# KiCad board data-center-rdimm-ddr4-tester.kicad_pcb (continued)
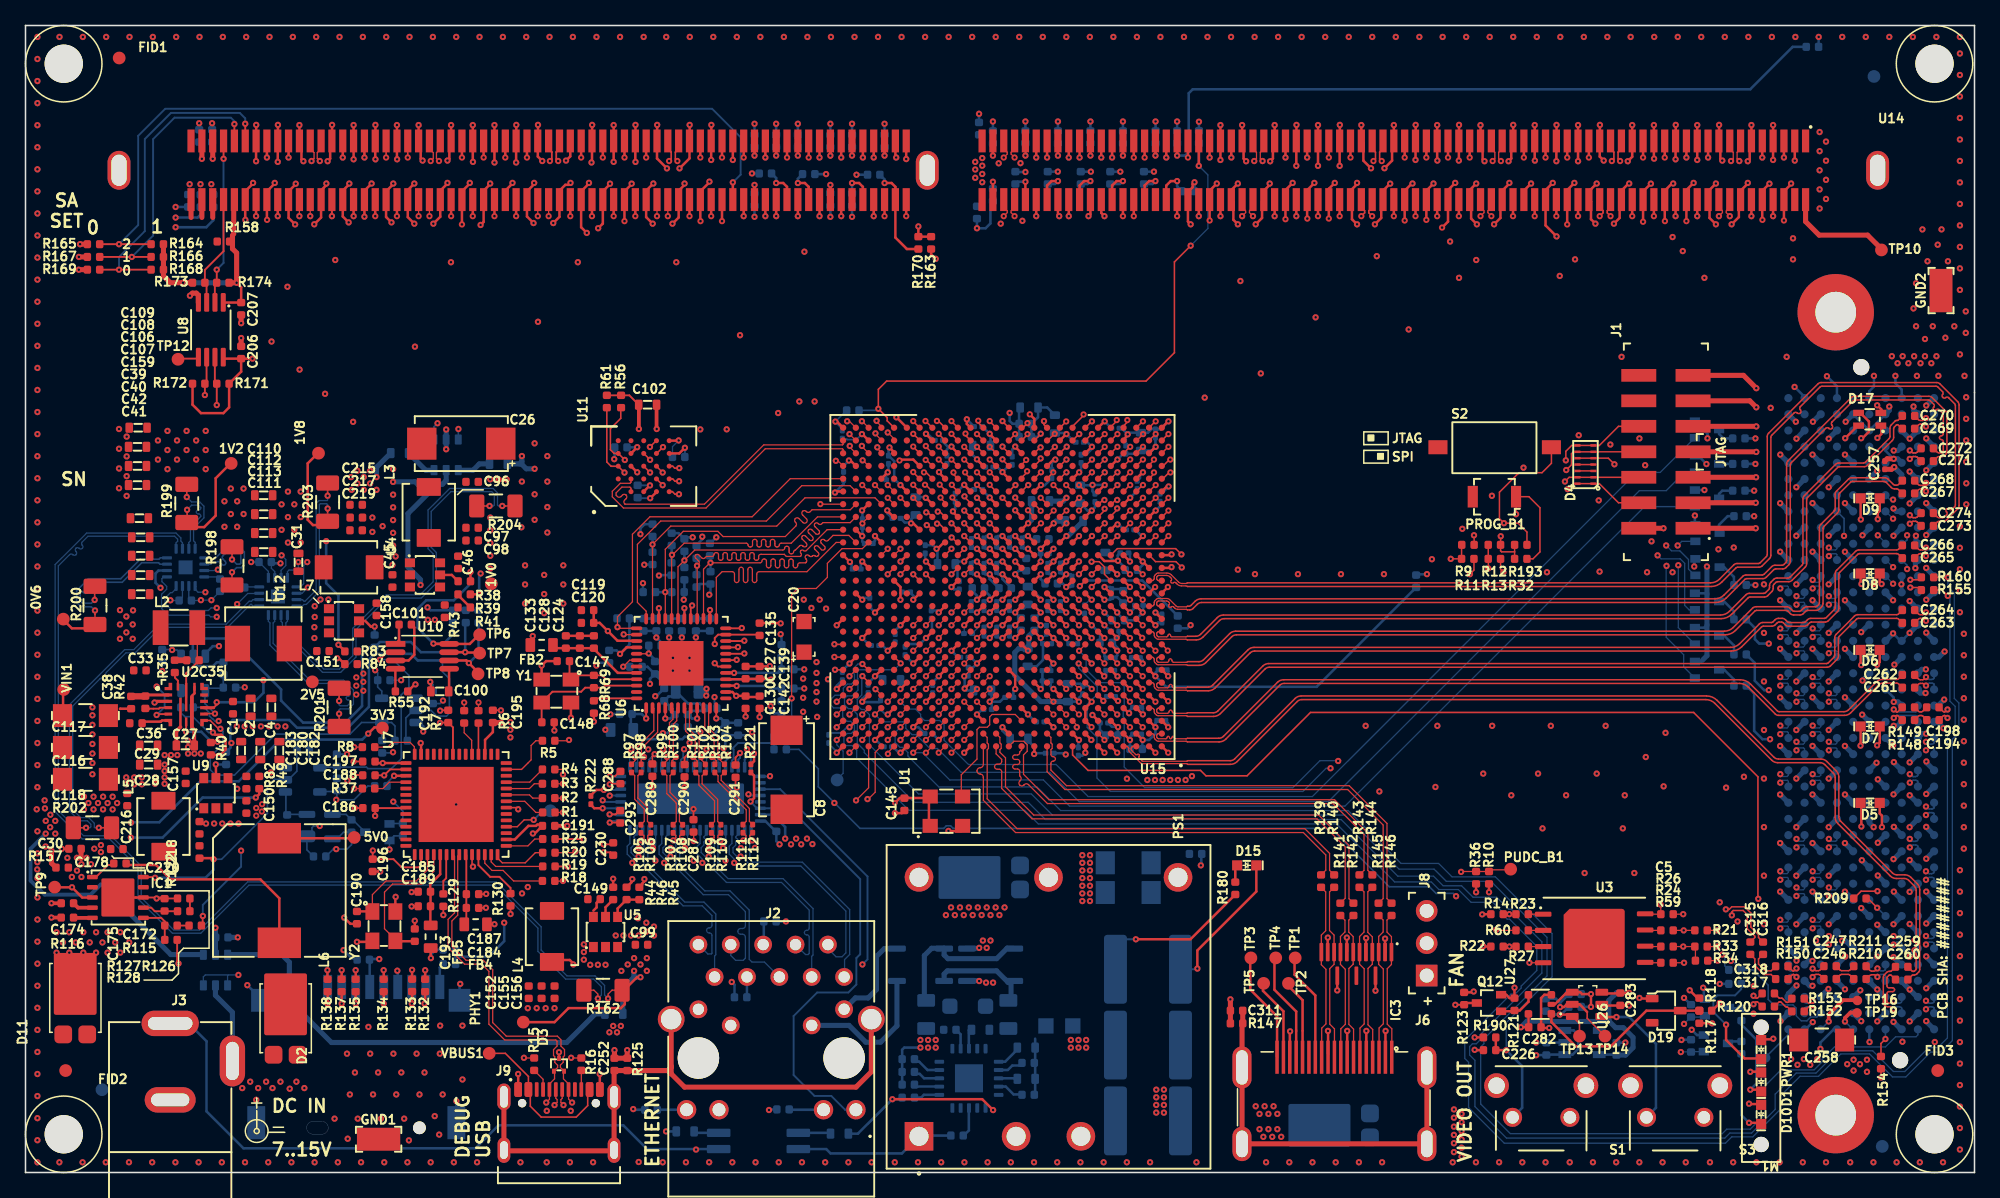
[diagram p0: board, top side]
## Routing (per net, layer and track width the routed paths; a pad name or vN(x,y) marks a point on that pad's centre or on a via; arc(x,y) is an arc through that point) (continued)
FMC_IO_21_P: length 91.1
  Top w0.1: U15.L19 v1(70.64,42.94)
  In9.Cu w0.09: v1(70.64,42.94) 70.37,42.94 70.24,42.81 70.24,42.65 70.35,42.54 72.05,42.54 72.39,42.21 arc(72.49,42.16) 72.6,42.21 72.95,42.56 arc(73.2,42.66) 73.45,42.56 arc(73.55,42.31) 73.45,42.06 73.09,41.71 arc(73.05,41.6) 73.09,41.5 73.18,41.42 arc(73.28,41.37) 73.39,41.42 73.71,41.73 arc(73.95,41.84) 74.2,41.73 arc(74.3,41.49) 74.2,41.24 73.88,40.92 arc(73.84,40.81) 73.88,40.71 73.94,40.65 81.47,40.65 82.36,41.53 84.3,41.53 84.38,41.62 85.14,41.62 arc(85.2,41.63) 85.25,41.66 85.25,41.67 85.26,41.67
  In9.Cu w0.1: 85.26,41.67 88.89,41.67 90.12,40.44 91.12,40.44 92.21,39.35 93.38,39.35 arc(93.72,39.21) 93.85,38.88 93.85,38.7 arc(93.91,38.57) 94.03,38.52 arc(94.15,38.57) 94.21,38.7 94.21,39.7 arc(94.34,40.04) 94.68,40.18 arc(95.02,40.04) 95.16,39.7 95.16,38.7 arc(95.21,38.57) 95.33,38.52 arc(95.45,38.57) 95.5,38.7 95.5,38.88 arc(95.64,39.21) 95.98,39.35 128.11,39.35 134.15,33.31 134.15,29.56 135.65,28.06 135.65,26.56 137.56,24.65 138.08,24.65 138.6,24.13 138.6,23.59 138.16,23.15 137.83,23.15 v1(137.65,22.97)
  Bottom w0.1: v1(137.65,22.97) 137.83,23.15 138.21,23.15 138.28,23.08 138.28,22.67
FMC_IO_23_N: length 91.1
  Top w0.1: U15.L18 v1(71.64,42.94)
  In9.Cu w0.09: 85.22,42.17 85.21,42.18 arc(85.16,42.21) 85.1,42.22 83.91,42.22 83.8,42.33 81.47,42.33 81.24,42.1 81.24,41.6 80.84,41.2 75.06,41.2 74.04,42.22 74.04,43.14 73.84,43.33 73.64,43.33 73.36,43.33 arc(73.28,43.3) 73.24,43.21 73.24,43.19 arc(73.2,43.11) 73.11,43.07 arc(73.03,43.11) 72.99,43.19 72.99,43.21 arc(72.95,43.3) 72.86,43.33 72.42,43.33 arc(72.33,43.3) 72.3,43.21 arc(72.26,43.12) 72.17,43.08 arc(72.08,43.12) 72.05,43.21 arc(72.01,43.3) 71.92,43.33 71.72,43.33 71.64,43.25 v1(71.64,42.94)
  In9.Cu w0.1: v1(138.92,26.17) 139.1,25.99 139.28,25.99 139.58,26.3 139.58,27.2 139.12,27.67 arc(138.99,27.72) 138.87,27.67 arc(138.75,27.62) 138.62,27.67 arc(138.57,27.79) 138.62,27.92 arc(138.67,28.04) 138.62,28.16 138.54,28.25 138.38,28.25 arc(138.27,28.21) 138.23,28.1 138.23,28 arc(138.19,27.89) 138.08,27.85 arc(137.97,27.89) 137.93,28 137.93,28.1 arc(137.89,28.21) 137.78,28.25 136.79,28.25 135.35,29.69 135.35,33.94 132.47,36.81 arc(132.33,37.17) 132.47,37.52 132.58,37.63 arc(132.64,37.77) 132.58,37.91 132.58,37.91 arc(132.44,37.97) 132.3,37.91 131.59,37.2 arc(131.24,37.06) 130.88,37.2 arc(130.74,37.56) 130.88,37.91 131.59,38.62 arc(131.65,38.76) 131.59,38.9 131.59,38.9 arc(131.45,38.96) 131.31,38.9 130.6,38.19 arc(130.25,38.05) 129.89,38.19 arc(129.75,38.55) 129.89,38.9 130.25,39.25 130.6,39.61 arc(130.66,39.75) 130.6,39.89 130.6,39.89 arc(130.46,39.95) 130.32,39.89 130.21,39.78 arc(129.86,39.64) 129.5,39.78 128.77,40.52 92.77,40.52 92.19,41.1 90.3,41.1 89.23,42.17 85.22,42.17
  Bottom w0.1: v1(138.92,26.17) 139.1,25.99 139.45,25.99 139.56,26.09 139.56,26.47
FMC_IO_23_P: length 90.7
  Top w0.1: U15.M17 v1(72.64,43.94)
  In9.Cu w0.09: 85.22,42.47 85.22,42.47 arc(85.17,42.44) 85.11,42.42 83.99,42.42 83.88,42.53 81.39,42.53 81.04,42.19 81.04,41.68 80.76,41.4 75.14,41.4 74.24,42.3 74.24,43.22 73.93,43.53 73.64,43.53 72.11,43.53 72.06,43.58 72.06,43.8 72.2,43.94 v1(72.64,43.94)
  In9.Cu w0.1: 85.22,42.47 89.35,42.47 90.42,41.4 92.31,41.4 92.89,40.82 128.89,40.82 129.72,40 arc(129.86,39.94) 130,40 130.1,40.1 arc(130.46,40.25) 130.81,40.1 130.81,40.1 arc(130.96,39.75) 130.81,39.4 130.46,39.04 130.11,38.69 arc(130.05,38.55) 130.11,38.41 arc(130.25,38.35) 130.39,38.41 131.09,39.11 arc(131.45,39.26) 131.8,39.11 131.8,39.11 arc(131.95,38.76) 131.8,38.4 131.1,37.7 arc(131.04,37.56) 131.1,37.42 arc(131.24,37.36) 131.38,37.42 132.08,38.12 arc(132.44,38.27) 132.79,38.12 132.79,38.12 arc(132.94,37.77) 132.79,37.41 132.69,37.31 arc(132.63,37.17) 132.69,37.03 135.65,34.06 135.65,29.81 136.91,28.55 138.66,28.55 139.88,27.33 139.88,26.17 139.4,25.69 139.1,25.69 v1(138.92,25.51)
  Bottom w0.1: J5.J12 139.56,25.62 139.48,25.69 139.1,25.69 v1(138.92,25.51)
FMC_IO_24_N: length 88.1
  Top w0.1: v1(71.64,41.94) U15.K18
  In7.Cu w0.09: 91.18,37.84 91.16,37.86 arc(91.13,37.88) 91.09,37.89 88.46,37.89 88.01,38.34 87.38,38.34 arc(87.24,38.28) 87.18,38.14 87.18,37.93 arc(87.06,37.65) 86.78,37.53 arc(86.5,37.65) 86.38,37.93 86.38,38.14 arc(86.32,38.28) 86.18,38.34 84.38,38.34 84.19,38.53 83.33,38.53 arc(83.2,38.48) 83.15,38.35 83.15,38.2 arc(83.04,37.94) 82.78,37.83 arc(82.51,37.94) 82.4,38.2 82.4,38.35 arc(82.35,38.48) 82.23,38.53 arc(82.1,38.48) 82.05,38.35 82.05,38.2 arc(81.94,37.94) 81.68,37.83 arc(81.41,37.94) 81.3,38.2 81.3,38.35 arc(81.25,38.48) 81.13,38.53 78.84,38.53 76.69,40.68 76.36,40.68 75.92,41.12 75.4,41.12 arc(75.13,41.23) 75.02,41.49 75.02,42.19 arc(74.97,42.32) 74.85,42.37 arc(74.73,42.32) 74.67,42.19 74.67,41.49 arc(74.56,41.23) 74.3,41.12 73.32,41.12 73.2,41.23 arc(73.09,41.5) 73.2,41.76 73.48,42.05 arc(73.53,42.17) 73.48,42.3 arc(73.36,42.35) 73.24,42.3 72.95,42.01 arc(72.72,41.9) 72.47,41.97 72.13,42.31 72,42.31 v1(71.64,41.94)
  In7.Cu w0.1: v1(138.92,45.22) 139.1,45.04 139.46,45.04 139.81,44.69 139.81,44.11 139.35,43.65 138.54,43.65 138.34,43.85 137.55,43.85 137.07,44.33 135.54,44.33 arc(135.19,44.18) 134.84,44.33 134.73,44.44 arc(134.59,44.49) 134.45,44.44 arc(134.39,44.29) 134.45,44.15 135.1,43.5 arc(135.22,43.2) 135.1,42.9 134.99,42.79 arc(134.69,42.67) 134.39,42.79 133.74,43.45 arc(133.6,43.5) 133.46,43.45 arc(133.4,43.3) 133.46,43.16 134.11,42.51 arc(134.23,42.21) 134.11,41.91 134,41.8 arc(133.7,41.68) 133.4,41.8 133.3,41.91 arc(133.21,41.94) 133.12,41.91 132.56,41.35 96.07,41.35 92.56,37.84 91.18,37.84
  Bottom w0.1: v1(138.92,45.22) 139.1,45.04 139.45,45.04 139.56,45.14 J5.J28
FMC_IO_24_P: length 88.9
  Top w0.1: v1(72.64,42.94) U15.L17
  In7.Cu w0.09: v1(72.64,42.94) 72.3,42.6 72.3,42.42 72.56,42.15 arc(72.69,42.1) 72.81,42.15 73.09,42.44 arc(73.36,42.55) 73.62,42.44 arc(73.73,42.17) 73.62,41.91 73.34,41.62 arc(73.29,41.5) 73.34,41.38 73.4,41.32 74.3,41.32 arc(74.42,41.37) 74.47,41.49 74.47,42.19 arc(74.58,42.46) 74.85,42.57 arc(75.11,42.46) 75.22,42.19 75.22,41.49 arc(75.28,41.37) 75.4,41.32 76.01,41.32 76.45,40.88 76.78,40.88 78.93,38.73 81.13,38.73 arc(81.39,38.62) 81.5,38.35 81.5,38.2 arc(81.55,38.08) 81.68,38.03 arc(81.8,38.08) 81.85,38.2 81.85,38.35 arc(81.96,38.62) 82.23,38.73 arc(82.49,38.62) 82.6,38.35 82.6,38.2 arc(82.65,38.08) 82.78,38.03 arc(82.9,38.08) 82.95,38.2 82.95,38.35 arc(83.06,38.62) 83.33,38.73 84.27,38.73 84.46,38.53 86.18,38.53 arc(86.46,38.42) 86.58,38.14 86.58,37.93 arc(86.64,37.79) 86.78,37.73 arc(86.92,37.79) 86.98,37.93 86.98,38.14 arc(87.1,38.42) 87.38,38.53 88.1,38.53 88.54,38.09 91.09,38.09 arc(91.12,38.09) 91.16,38.12 91.18,38.14
  In7.Cu w0.1: v1(138.92,44.56) 139.1,44.74 139.34,44.74 139.51,44.57 139.51,44.23 139.23,43.95 138.66,43.95 138.46,44.15 arc(138.34,44.2) 138.29,44.33 138.29,44.53 arc(138.24,44.65) 138.11,44.7 arc(137.99,44.65) 137.94,44.53 137.94,44.33 arc(137.89,44.2) 137.76,44.15 137.67,44.15 137.19,44.63 137.08,44.63 arc(136.96,44.68) 136.91,44.81 136.91,44.96 arc(136.85,45.08) 136.73,45.13 arc(136.61,45.08) 136.56,44.96 136.56,44.81 arc(136.5,44.68) 136.38,44.63 arc(136.24,44.69) 136.18,44.83 arc(136.12,44.97) 135.98,45.03 arc(135.84,44.97) 135.78,44.83 arc(135.72,44.69) 135.58,44.63 135.42,44.63 135.33,44.54 arc(135.19,44.48) 135.05,44.54 134.94,44.65 arc(134.59,44.79) 134.23,44.65 arc(134.09,44.29) 134.23,43.94 134.89,43.29 arc(134.92,43.2) 134.89,43.11 134.78,43 arc(134.69,42.97) 134.61,43 133.95,43.66 arc(133.6,43.8) 133.24,43.66 arc(133.1,43.3) 133.24,42.95 133.9,42.3 arc(133.93,42.21) 133.9,42.12 133.79,42.01 arc(133.7,41.98) 133.62,42.01 133.51,42.12 arc(133.21,42.24) 132.91,42.12 132.44,41.65 95.94,41.65 92.43,38.14 91.18,38.14
  Bottom w0.1: J5.J27 139.56,44.67 139.48,44.74 139.1,44.74 v1(138.92,44.56)
FMC_IO_25: length 89.8
  Top w0.1: U15.M16 v1(73.64,43.94)
  In7.Cu w0.1: v1(73.64,43.94) 74.04,43.53 74.61,43.53 75.04,43.11 75.04,42.97 75.47,42.54 75.82,42.54 76.03,42.32 76.03,41.98 76.69,41.32 77.35,41.32 77.49,41.18 arc(77.61,41.13) 77.74,41.18 77.74,41.18 77.81,41.25 arc(77.93,41.3) 78.05,41.25 arc(78.1,41.13) 78.05,41.01 77.66,40.62 arc(77.61,40.49) 77.66,40.37 arc(77.79,40.32) 77.91,40.37 78.3,40.76 arc(78.42,40.81) 78.55,40.76 arc(78.6,40.63) 78.55,40.51 78.16,40.12 arc(78.11,40) 78.16,39.87 arc(78.28,39.82) 78.41,39.87 78.8,40.26 arc(78.92,40.32) 79.04,40.26 arc(79.09,40.14) 79.04,40.02 78.65,39.63 arc(78.6,39.5) 78.65,39.38 arc(78.78,39.33) 78.9,39.38 78.97,39.45 arc(79.1,39.5) 79.22,39.45 79.43,39.25 81.44,39.25 81.6,39.08 84.2,39.08 84.58,39.46 86.01,39.46 arc(86.14,39.41) 86.19,39.29 86.19,38.99 arc(86.24,38.86) 86.36,38.81 arc(86.49,38.86) 86.54,38.99 86.54,39.29 arc(86.59,39.41) 86.71,39.46 arc(86.84,39.41) 86.89,39.29 86.89,38.99 arc(86.94,38.86) 87.06,38.81 arc(87.19,38.86) 87.24,38.99 87.24,39.29 arc(87.29,39.41) 87.41,39.46 87.47,39.46 arc(87.6,39.41) 87.65,39.29 87.65,38.99 arc(87.7,38.86) 87.82,38.81 arc(87.95,38.86) 88,38.99 88,39.69 arc(88.05,39.81) 88.18,39.86 arc(88.3,39.81) 88.35,39.69 88.35,39.64 arc(88.4,39.51) 88.53,39.46 arc(88.65,39.51) 88.7,39.64 88.7,40.04 arc(88.75,40.16) 88.88,40.21 arc(89,40.16) 89.05,40.04 89.05,39.64 arc(89.1,39.51) 89.22,39.46 89.28,39.46 arc(89.4,39.51) 89.45,39.64 89.45,40.04 arc(89.5,40.16) 89.62,40.21 arc(89.75,40.16) 89.8,40.04 89.8,39.64 arc(89.85,39.51) 89.97,39.46 90.03,39.46 arc(90.15,39.51) 90.2,39.64 90.2,40.14 arc(90.25,40.26) 90.38,40.31 arc(90.5,40.26) 90.55,40.14 90.55,38.69 arc(90.6,38.56) 90.72,38.51 arc(90.85,38.56) 90.9,38.69 90.9,40.14 arc(90.95,40.26) 91.07,40.31 arc(91.2,40.26) 91.25,40.14 91.25,38.69 arc(91.3,38.56) 91.43,38.51 arc(91.55,38.56) 91.6,38.69 arc(91.64,38.79) 91.75,38.84 91.75,38.84 91.79,38.84 arc(91.89,38.88) 91.94,38.99 arc(91.89,39.1) 91.79,39.14 91.78,39.14 91.75,39.14 arc(91.64,39.18) 91.6,39.29 91.6,40.14 arc(91.65,40.26) 91.78,40.31 arc(91.9,40.26) 91.95,40.14 91.95,39.64 arc(92,39.51) 92.12,39.46 92.33,39.46 arc(92.52,39.5) 92.68,39.61 95.35,42.28 131.53,42.28 134.75,45.5 137.32,45.5 v1(137.65,45.83)
  Bottom w0.1: 138.28,45.53 138.28,45.94 138.21,46.01 137.83,46.01 v1(137.65,45.83)
FMC_SCL_3V3: length 172.1
  Top w0.127: R155.2 150.33,45.7 v1(150.79,45.25) ; U15.H22 68.16,40.44 v1(68.65,39.95)
  In7.Cu w0.127: v1(150.79,45.25) 149.7,45.25 v1(147.6,47.35)
  Bottom w0.1: v1(150.79,45.25) 150.96,45.07 150.96,36.98 151.37,36.57 151.37,34.86 150.76,34.25 150.76,10.56 150,9.8 149.29,9.8 147.42,7.93 146.52,7.93 144.9,9.55 142.2,9.55 140.45,7.8 138.9,7.8 137.25,6.15 137.25,4.95 135.4,3.1 133.7,3.1 133.3,2.7 116.18,2.7 113.7,5.18 113.7,8.8 113.28,9.22 113.28,9.89 113.5,10.1 113.8,10.1 114.06,10.36 114.06,10.76 114.06,10.76 118.95,15.65 118.95,18.1 116.78,20.27 116.78,20.43 116.55,20.66 116.34,20.66 115.4,21.6 113.55,21.6 112.65,22.5 111.2,22.5 110.45,23.25 107.65,23.25 103.2,27.7 80,27.7 78.65,29.05 69.7,29.05 65.8,32.95 65.8,33.12 65.25,33.68 65.25,35.95 64.8,36.4 64.55,36.4 64.25,36.7 64.25,37.2 64.45,37.4 64.85,37.4 65.3,37.85 65.3,38.75 65.26,38.79 65.26,39.34 65.37,39.45 68.15,39.45 v1(68.65,39.95)
  Bottom w0.127: J5.C30 147.6,47.64 v1(147.6,47.35)
FMC_SDA_3V3: length 176.1
  Top w0.127: v1(65.65,39.9) 66.11,39.44 U15.G24 ; R160.2 v1(150.8,46.7)
  In7.Cu w0.127: v1(147.6,50) 147.6,48.7 148.65,47.65 148.65,47.32 149.27,46.7 v1(150.8,46.7)
  Bottom w0.1: v1(150.8,46.7) 150.8,45.95 151.3,45.45 151.3,37.2 151.66,36.84 151.66,34.51 151.15,34 151.15,10.35 150.25,9.45 149.45,9.45 147.5,7.5 146.45,7.5 144.65,9.3 142.4,9.3 140.65,7.55 139.2,7.55 137.6,5.95 137.6,4.9 135.5,2.8 133.85,2.8 133.35,2.3 116,2.3 113.2,5.1 113.2,8.65 112.9,8.95 112.9,10.38 116.52,14 116.85,14 117.33,14.47 117.33,14.63 118.55,15.85 118.55,17.75 116.42,19.88 116.23,19.88 116,20.11 116,20.3 115.1,21.2 113.4,21.2 112.4,22.2 110.88,22.2 110.28,22.8 107.4,22.8 102.85,27.35 79.45,27.35 78.38,28.42 69.3,28.42 65.2,32.52 65.2,33.15 64.85,33.5 64.35,33.5 64.2,33.65 64.2,34.2 64.45,34.45 64.77,34.45 65.03,34.7 65.03,35.1 64.73,35.4 64.45,35.4 64.1,35.75 64.1,36.26 63.91,36.45 63.4,36.45 63.2,36.65 63.2,37.15 63.5,37.45 63.95,37.45 64.15,37.65 64.15,38.01 64.47,38.33 64.8,38.33 65.03,38.56 65.03,39.1 64.95,39.18 64.95,39.55 65.3,39.9 v1(65.65,39.9)
  Bottom w0.127: J5.C31 147.28,49.33 147.6,49.65 v1(147.6,50)
FPGA_POWER_CYCLE: length 43.5
  Top w0.127: U15.G26 63.51,39.44 v1(63.5,39.45)
  In5.Cu w0.127: v1(63.5,39.45) 62.45,40.5 61.49,40.5 57.69,36.7 37.07,36.7 30.75,30.38 30.12,30.38 v1(28.85,29.1)
  Bottom w0.127: Q11.1 28.59,27.39 R124.2 29.6,28.35 v1(28.85,29.1)
FPGA_SLP_S4: length 59.5
  Top w0.127: U15.J26 63.46,41.44 v1(63.45,41.45)
  In9.Cu w0.127: 12.97,41.44 13.26,41.73 15.35,41.73 16.11,40.98 32.58,40.98 36.8,45.2 39.7,45.2 40,44.9 41.45,44.9 41.75,45.2 43.35,45.2 43.85,45.7 48.8,45.7 49.15,46.05 56.9,46.05 61.5,41.45 v1(63.45,41.45) ; 12.97,41.44 12.53,41 v1(11.5,41) ; 12.97,41.44 12.67,41.14
  Bottom w0.127: R214.2 11.47,41.03 v1(11.5,41) 11.88,41 12.17,40.7
FPGA_VTT_CNTL: length 41.4
  Top w0.127: v1(63.45,40.45) 63.46,40.44 U15.H26
  In9.Cu w0.127: v1(63.45,40.45) 63.39,40.51 61.55,40.51 59.41,42.65 59.09,42.65 56.54,45.2 54.55,45.2 54.28,44.93 53.32,44.93 52.9,45.35 51.47,45.35 51.24,45.13 44.53,45.13 43.63,44.23 41.62,44.23 41.4,44.45 40.02,44.45 39.79,44.23 37.03,44.23 32.75,39.95 v1(32.75,37.03)
  Bottom w0.127: v1(32.75,37.03) 32.51,36.8 R215.2 31.54,37.21 30.65,37.21
GCLK100: length 10.4
  Top w0.1: U15.C12 77.64,35.94 75.82,35.94 75.64,35.75 75.64,35.13 75.45,34.94 74.82,34.94 74.64,34.75 74.64,32.44 73.41,31.21 73.41,29.4
GTR_REFCLK0_C_N: length 1.7
  Top w0.122: C247.1 142.34,15.89 arc(142.4,15.85) 142.48,15.83 142.98,15.83 arc(143.06,15.85) 143.12,15.89 R211.2
GTR_REFCLK0_C_P: length 1.7
  Top w0.122: R210.2 143.11,15.49 arc(143.05,15.53) 142.97,15.55 142.48,15.55 arc(142.4,15.53) 142.34,15.49 C246.1
GTR_REFCLK1_C_N: length 1.2
  Top w0.122: C198.1 148.82,36.19 arc(148.77,36.15) 148.72,36.14 148.6,36.14 arc(148.55,36.15) 148.5,36.19 R149.2
GTR_REFCLK1_C_P: length 1.2
  Top w0.122: 149.14,35.5 148.83,35.81 arc(148.78,35.85) 148.73,35.86 148.6,35.86 arc(148.55,35.85) 148.5,35.81 R148.2
GTR_REFCLK2_C_N: length 3.1
  Top w0.122: R151.2 136.93,15.82 136.48,15.82 136.41,15.9 arc(136.37,15.99) 136.41,16.07 136.47,16.14 arc(136.51,16.23) 136.47,16.32 arc(136.38,16.36) 136.3,16.32 136.23,16.25 arc(136.14,16.21) 136.05,16.25 135.94,16.36 135.94,16.76 C316.2
GTR_REFCLK2_C_P: length 3.1
  Top w0.122: C315.2 135.66,16.76 135.66,16.24 136.36,15.54 136.93,15.54 R150.2
GTR_REFCLK3_C_N: length 1.8
  Top w0.122: R153.2 138.3,13.38 arc(138.27,13.36) 138.23,13.35 138.17,13.35 arc(138.13,13.36) 138.1,13.38 137.83,13.65 arc(137.8,13.67) 137.76,13.68 137.61,13.68 arc(137.57,13.69) 137.53,13.71 137.19,14.05
GTR_REFCLK3_C_P: length 1.8
  Top w0.122: 137.19,13.03 137.53,13.36 arc(137.57,13.39) 137.61,13.39 137.64,13.39 arc(137.68,13.39) 137.71,13.36 138.05,13.03 arc(138.08,13) 138.12,13 138.16,13 arc(138.2,12.99) 138.23,12.97 R152.2
GTX_RX0_N: length 81
  Top w0.127: v2(85.64,33.94) U15.B5
  In2.Cu w0.082: v2(85.64,33.94) 85.39,33.94 arc(85.33,33.95) 85.29,33.98 85.27,34 arc(85.23,34.05) 85.22,34.11 85.22,34.15 arc(85.27,34.26) 85.37,34.3 85.37,34.3 arc(85.48,34.35) 85.52,34.45 arc(85.48,34.56) 85.37,34.6 85.37,34.6 arc(85.27,34.65) 85.22,34.75 85.22,34.99 arc(85.23,35.05) 85.27,35.09 85.49,35.32 arc(85.54,35.35) 85.6,35.36 89.83,35.36 arc(89.88,35.35) 89.93,35.32 90.47,34.79 arc(90.54,34.74) 90.64,34.72 90.97,34.72 arc(91.05,34.7) 91.11,34.66 91.12,34.65
  In2.Cu w0.13: 91.12,34.65 95.88,34.65 arc(96.14,34.7) 96.36,34.84 99.09,37.58 arc(99.25,37.68) 99.45,37.72 126.95,37.72 arc(127.15,37.68) 127.31,37.58 128.7,36.18 arc(128.81,36.02) 128.85,35.83 128.85,35.47 arc(128.9,35.21) 129.04,34.99 130.45,33.58 arc(130.56,33.42) 130.6,33.23 130.6,32.22 arc(130.65,31.96) 130.79,31.74 132.2,30.33 arc(132.31,30.17) 132.35,29.98 132.35,27.97 arc(132.4,27.71) 132.54,27.49 133.7,26.33 arc(133.81,26.17) 133.85,25.98 133.85,24.72 arc(133.9,24.46) 134.04,24.24 137.49,20.79 arc(137.71,20.65) 137.97,20.6 141.7,20.6 arc(141.78,20.58) 141.85,20.54 142.3,20.08 arc(142.42,20) 142.57,19.97 144.03,19.97 arc(144.19,19.91) 144.25,19.75 144.25,19.72 arc(144.32,19.56) 144.48,19.5 arc(144.64,19.56) 144.7,19.72 144.7,19.75 arc(144.77,19.91) 144.93,19.97 145.47,19.97 arc(145.61,19.91) 145.67,19.77 arc(145.73,19.63) 145.87,19.57 arc(146.01,19.63) 146.07,19.77 arc(146.13,19.91) 146.27,19.97 146.82,19.97 arc(146.88,19.96) 146.93,19.93 147,19.86 arc(147.04,19.81) 147.05,19.75 147.05,18.63 arc(147.04,18.57) 147,18.52 146.9,18.42 arc(146.85,18.39) 146.8,18.38 146.78,18.38 arc(146.72,18.39) 146.68,18.42 v1(146.54,18.55)
  Bottom w0.122: J5.C7 147.18,18.51 arc(147.17,18.47) 147.15,18.44 147.13,18.42 arc(147.06,18.38) 146.99,18.37 146.81,18.37 arc(146.73,18.38) 146.67,18.42 v1(146.54,18.55)
GTX_RX0_P: length 80.9
  Top w0.127: v2(84.64,33.94) U15.B6
  In2.Cu w0.082: 91.12,34.95 91.12,34.95 arc(91.05,34.9) 90.98,34.89 90.67,34.89 arc(90.61,34.9) 90.56,34.93 90.03,35.47 arc(89.95,35.52) 89.86,35.54 85.56,35.54 arc(85.47,35.52) 85.39,35.47 85.12,35.19 arc(85.07,35.11) 85.05,35.02 85.05,34.11 arc(85.04,34.06) 85.01,34.01 84.98,33.98 arc(84.94,33.95) 84.88,33.94 v2(84.64,33.94)
  In2.Cu w0.13: 91.12,34.95 95.83,34.95 arc(96.02,34.99) 96.18,35.1 98.91,37.83 arc(99.13,37.98) 99.39,38.03 127.01,38.03 arc(127.27,37.98) 127.49,37.83 128.96,36.36 arc(129.1,36.14) 129.15,35.88 129.15,35.52 arc(129.19,35.33) 129.3,35.17 130.71,33.76 arc(130.85,33.54) 130.9,33.28 130.9,32.27 arc(130.94,32.08) 131.05,31.92 132.46,30.51 arc(132.6,30.29) 132.65,30.03 132.65,28.02 arc(132.69,27.83) 132.8,27.67 133.96,26.51 arc(134.1,26.29) 134.15,26.03 134.15,24.77 arc(134.19,24.58) 134.3,24.42 137.67,21.05 arc(137.83,20.94) 138.02,20.9 141.76,20.9 arc(141.9,20.87) 142.02,20.79 142.48,20.34 arc(142.54,20.29) 142.62,20.28 146.88,20.28 arc(147,20.25) 147.11,20.18 147.26,20.03 arc(147.33,19.93) 147.35,19.8 147.35,18.57 arc(147.33,18.45) 147.26,18.34 147.08,18.16 arc(146.98,18.09) 146.85,18.07 146.78,18.07 arc(146.72,18.06) 146.68,18.03 v1(146.54,17.89)
  Bottom w0.122: v1(146.54,17.89) 146.67,18.02 arc(146.73,18.06) 146.81,18.08 147,18.08 arc(147.08,18.06) 147.15,18.02 arc(147.17,17.99) 147.18,17.95 147.18,17.58
GTX_RX1_N: length 82
  Top w0.127: v2(87.64,34.94) U15.C3
  In2.Cu w0.082: v2(87.64,34.94) 87.4,34.94 arc(87.36,34.93) 87.33,34.91 87.25,34.83 arc(87.23,34.8) 87.22,34.76 87.22,34.72 arc(87.23,34.68) 87.25,34.65 87.33,34.57 arc(87.36,34.55) 87.4,34.54 88.13,34.54 arc(88.2,34.53) 88.26,34.49 88.61,34.14 arc(88.72,34.09) 88.82,34.14 88.84,34.15 arc(88.95,34.2) 89.05,34.15 arc(89.1,34.05) 89.05,33.94 89.04,33.92 arc(88.99,33.82) 89.04,33.71 89.11,33.64 arc(89.14,33.62) 89.18,33.61 90.99,33.61 arc(91.06,33.63) 91.13,33.67 91.14,33.68
  In2.Cu w0.13: v1(149.08,13.47) 148.96,13.35 arc(148.89,13.31) 148.82,13.3 148.03,13.3 arc(147.95,13.31) 147.89,13.35 147.08,14.16 arc(146.92,14.27) 146.74,14.3 146.56,14.3 arc(146.45,14.33) 146.35,14.39 146.14,14.6 arc(146.08,14.7) 146.05,14.81 146.05,17.21 arc(146.02,17.35) 145.94,17.47 145.75,17.67 arc(145.63,17.75) 145.48,17.78 142.42,17.78 arc(142.27,17.75) 142.15,17.67 141.9,17.41 arc(141.83,17.37) 141.75,17.35 140.87,17.35 arc(140.68,17.39) 140.52,17.5 139.49,18.53 arc(139.27,18.68) 139.01,18.73 137.37,18.73 arc(137.29,18.74) 137.23,18.79 137.15,18.87 arc(137.03,18.95) 136.88,18.98 136.29,18.98 arc(136.17,19) 136.08,19.07 135.89,19.25 arc(135.83,19.35) 135.8,19.46 135.8,19.88 arc(135.75,20.14) 135.61,20.36 132.8,23.17 arc(132.69,23.33) 132.65,23.52 132.65,24.78 arc(132.6,25.04) 132.46,25.26 131.05,26.67 arc(130.94,26.83) 130.9,27.02 130.9,29.53 arc(130.85,29.79) 130.71,30.01 129.3,31.42 arc(129.19,31.58) 129.15,31.77 129.15,32.28 arc(129.1,32.54) 128.96,32.76 127.8,33.92 arc(127.69,34.08) 127.65,34.27 127.65,35.03 arc(127.6,35.29) 127.46,35.51 126.64,36.33 arc(126.42,36.48) 126.16,36.53 100.62,36.53 arc(100.36,36.48) 100.14,36.33 97.63,33.82 arc(97.47,33.72) 97.28,33.68 91.14,33.68
  Bottom w0.122: v1(149.08,13.47) 149.21,13.34 arc(149.27,13.3) 149.35,13.29 149.53,13.29 arc(149.6,13.3) 149.67,13.34 149.69,13.36 arc(149.71,13.39) 149.71,13.43 149.71,13.78
GTX_RX1_P: length 81.9
  Top w0.127: v2(86.64,34.94) U15.C4
  In2.Cu w0.082: v2(86.64,34.94) 86.9,34.94 arc(86.94,34.93) 86.97,34.91 87.02,34.86 arc(87.04,34.83) 87.05,34.79 87.05,34.69 arc(87.06,34.61) 87.11,34.55 87.23,34.42 arc(87.3,34.38) 87.37,34.37 88.09,34.37 arc(88.13,34.36) 88.16,34.34 89.01,33.49 arc(89.07,33.45) 89.14,33.44 90.99,33.44 arc(91.06,33.42) 91.13,33.38 91.14,33.37
  In2.Cu w0.13: 91.14,33.37 97.33,33.37 arc(97.59,33.42) 97.81,33.57 100.32,36.08 arc(100.48,36.18) 100.67,36.22 126.1,36.22 arc(126.3,36.18) 126.46,36.08 127.2,35.33 arc(127.31,35.17) 127.35,34.98 127.35,34.22 arc(127.4,33.96) 127.54,33.74 128.7,32.58 arc(128.81,32.42) 128.85,32.23 128.85,31.72 arc(128.9,31.46) 129.04,31.24 130.45,29.83 arc(130.56,29.67) 130.6,29.48 130.6,26.97 arc(130.65,26.71) 130.79,26.49 132.2,25.08 arc(132.31,24.92) 132.35,24.73 132.35,23.47 arc(132.4,23.21) 132.54,22.99 135.35,20.18 arc(135.46,20.02) 135.5,19.83 135.5,19.41 arc(135.53,19.23) 135.64,19.07 135.9,18.81 arc(136.05,18.71) 136.23,18.67 136.83,18.67 arc(136.91,18.66) 136.97,18.61 137.05,18.53 arc(137.17,18.45) 137.32,18.42 138.95,18.42 arc(139.15,18.38) 139.31,18.28 140.34,17.24 arc(140.56,17.1) 140.82,17.05 141.81,17.05 arc(141.95,17.08) 142.07,17.16 142.33,17.41 arc(142.39,17.46) 142.47,17.47 145.43,17.47 arc(145.51,17.46) 145.57,17.41 145.69,17.3 arc(145.73,17.23) 145.75,17.15 145.75,14.76 arc(145.78,14.58) 145.89,14.42 146.17,14.14 arc(146.33,14.03) 146.51,14 146.69,14 arc(146.8,13.97) 146.9,13.91 147.71,13.1 arc(147.83,13.02) 147.98,12.99 148.82,12.99 arc(148.89,12.97) 148.96,12.93 v1(149.08,12.81)
  Bottom w0.122: v1(149.08,12.81) 149.21,12.94 arc(149.27,12.98) 149.35,13 149.54,13 arc(149.62,12.98) 149.69,12.94 arc(149.71,12.91) 149.71,12.87 J5.A2
GTX_RX2_N: length 78.9
  Top w0.127: v2(87.64,36.94) U15.E3
  In2.Cu w0.082: 91.15,36.6 91.15,36.6 arc(91.08,36.56) 91,36.54 90.25,36.54 arc(90.17,36.53) 90.11,36.48 90.04,36.42 arc(90.01,36.39) 89.97,36.39 89.4,36.39 arc(89.32,36.42) 89.28,36.51 89.28,36.56 arc(89.24,36.65) 89.15,36.69 arc(89.07,36.65) 89.03,36.56 89.03,36.51 arc(88.99,36.42) 88.9,36.39 88.45,36.39 arc(88.41,36.39) 88.38,36.42 88.31,36.49 arc(88.25,36.53) 88.18,36.54 87.4,36.54 arc(87.36,36.55) 87.33,36.57 87.25,36.65 arc(87.23,36.68) 87.22,36.72 87.22,36.76 arc(87.23,36.8) 87.25,36.83 87.33,36.91 arc(87.36,36.93) 87.4,36.94 v2(87.64,36.94)
  In2.Cu w0.13: 91.15,36.6 94.9,36.6 arc(95.09,36.64) 95.25,36.75 97.63,39.13 arc(97.85,39.27) 98.11,39.32 128.01,39.32 arc(128.27,39.27) 128.49,39.13 130.71,36.91 arc(130.85,36.69) 130.9,36.43 130.9,36.27 arc(130.94,36.08) 131.05,35.92 132.46,34.51 arc(132.6,34.29) 132.65,34.03 132.65,32.77 arc(132.69,32.58) 132.8,32.42 133.96,31.26 arc(134.1,31.04) 134.15,30.78 134.15,29.02 arc(134.19,28.83) 134.3,28.67 135.46,27.51 arc(135.6,27.29) 135.65,27.03 135.65,26.27 arc(135.69,26.08) 135.8,25.92 136.84,24.87 arc(137,24.77) 137.2,24.73 141.26,24.73 arc(141.52,24.68) 141.74,24.53 144.68,21.59 arc(144.74,21.54) 144.82,21.53 147.31,21.53 arc(147.45,21.5) 147.57,21.42 148.49,20.5 arc(148.57,20.38) 148.6,20.23 148.6,18.57 arc(148.62,18.49) 148.66,18.43 148.69,18.4 arc(148.72,18.38) 148.76,18.38 148.82,18.38 arc(148.89,18.39) 148.96,18.43 v1(149.08,18.55)
  Bottom w0.122: J5.A7 149.71,18.51 arc(149.71,18.47) 149.69,18.44 149.67,18.42 arc(149.6,18.38) 149.53,18.37 149.35,18.37 arc(149.27,18.38) 149.21,18.42 v1(149.08,18.55)
GTX_RX2_P: length 78.8
  Top w0.127: v2(86.64,36.94) U15.E4
  In2.Cu w0.082: v2(86.64,36.94) 86.9,36.94 arc(86.94,36.93) 86.97,36.91 87.02,36.86 arc(87.04,36.83) 87.05,36.79 87.05,36.69 arc(87.06,36.61) 87.11,36.55 87.23,36.42 arc(87.3,36.38) 87.37,36.37 88.14,36.37 arc(88.18,36.36) 88.21,36.34 88.28,36.27 arc(88.35,36.23) 88.42,36.21 90.01,36.21 arc(90.08,36.23) 90.14,36.27 90.21,36.34 arc(90.24,36.36) 90.28,36.37 91,36.37 arc(91.07,36.35) 91.14,36.31 91.15,36.3
  In2.Cu w0.13: 91.15,36.3 94.95,36.3 arc(95.21,36.35) 95.43,36.49 97.81,38.87 arc(97.97,38.98) 98.16,39.02 127.96,39.02 arc(128.15,38.98) 128.31,38.87 130.45,36.73 arc(130.56,36.57) 130.6,36.38 130.6,36.22 arc(130.65,35.96) 130.79,35.74 132.2,34.33 arc(132.31,34.17) 132.35,33.98 132.35,32.72 arc(132.4,32.46) 132.54,32.24 133.7,31.08 arc(133.81,30.92) 133.85,30.73 133.85,28.97 arc(133.9,28.71) 134.04,28.49 135.2,27.33 arc(135.31,27.17) 135.35,26.98 135.35,26.22 arc(135.4,25.96) 135.54,25.74 136.66,24.62 arc(136.88,24.47) 137.14,24.42 141.2,24.42 arc(141.4,24.38) 141.56,24.28 144.5,21.33 arc(144.62,21.25) 144.77,21.22 147.25,21.22 arc(147.33,21.21) 147.4,21.16 148.24,20.32 arc(148.28,20.26) 148.3,20.18 148.3,18.52 arc(148.33,18.37) 148.41,18.25 148.51,18.15 arc(148.6,18.09) 148.7,18.07 148.82,18.07 arc(148.89,18.05) 148.96,18.01 v1(149.08,17.89)
  Bottom w0.122: 149.71,17.58 149.71,17.95 arc(149.71,17.99) 149.69,18.02 arc(149.62,18.06) 149.54,18.08 149.35,18.08 arc(149.27,18.06) 149.21,18.02 v1(149.08,17.89)
GTX_RX3_N: length 75.3
  Top w0.127: v2(87.64,38.94) U15.G3
  In2.Cu w0.082: v2(87.64,38.94) 87.4,38.94 arc(87.36,38.93) 87.33,38.91 87.25,38.83 arc(87.23,38.8) 87.22,38.76 87.22,38.72 arc(87.23,38.68) 87.25,38.65 87.33,38.57 arc(87.36,38.55) 87.4,38.54 88.18,38.54 arc(88.25,38.53) 88.31,38.49 88.53,38.27 arc(88.56,38.24) 88.6,38.24 88.89,38.24 arc(89.01,38.29) 89.06,38.41 89.06,38.42 arc(89.11,38.54) 89.24,38.59 arc(89.36,38.54) 89.41,38.42 89.41,38.41 arc(89.46,38.29) 89.59,38.24 89.87,38.24 arc(89.91,38.24) 89.94,38.27 90.17,38.49 arc(90.23,38.53) 90.3,38.54 91.01,38.54 arc(91.08,38.56) 91.15,38.6 91.15,38.6